# KiCad board panelized.kicad_pcb (continued)
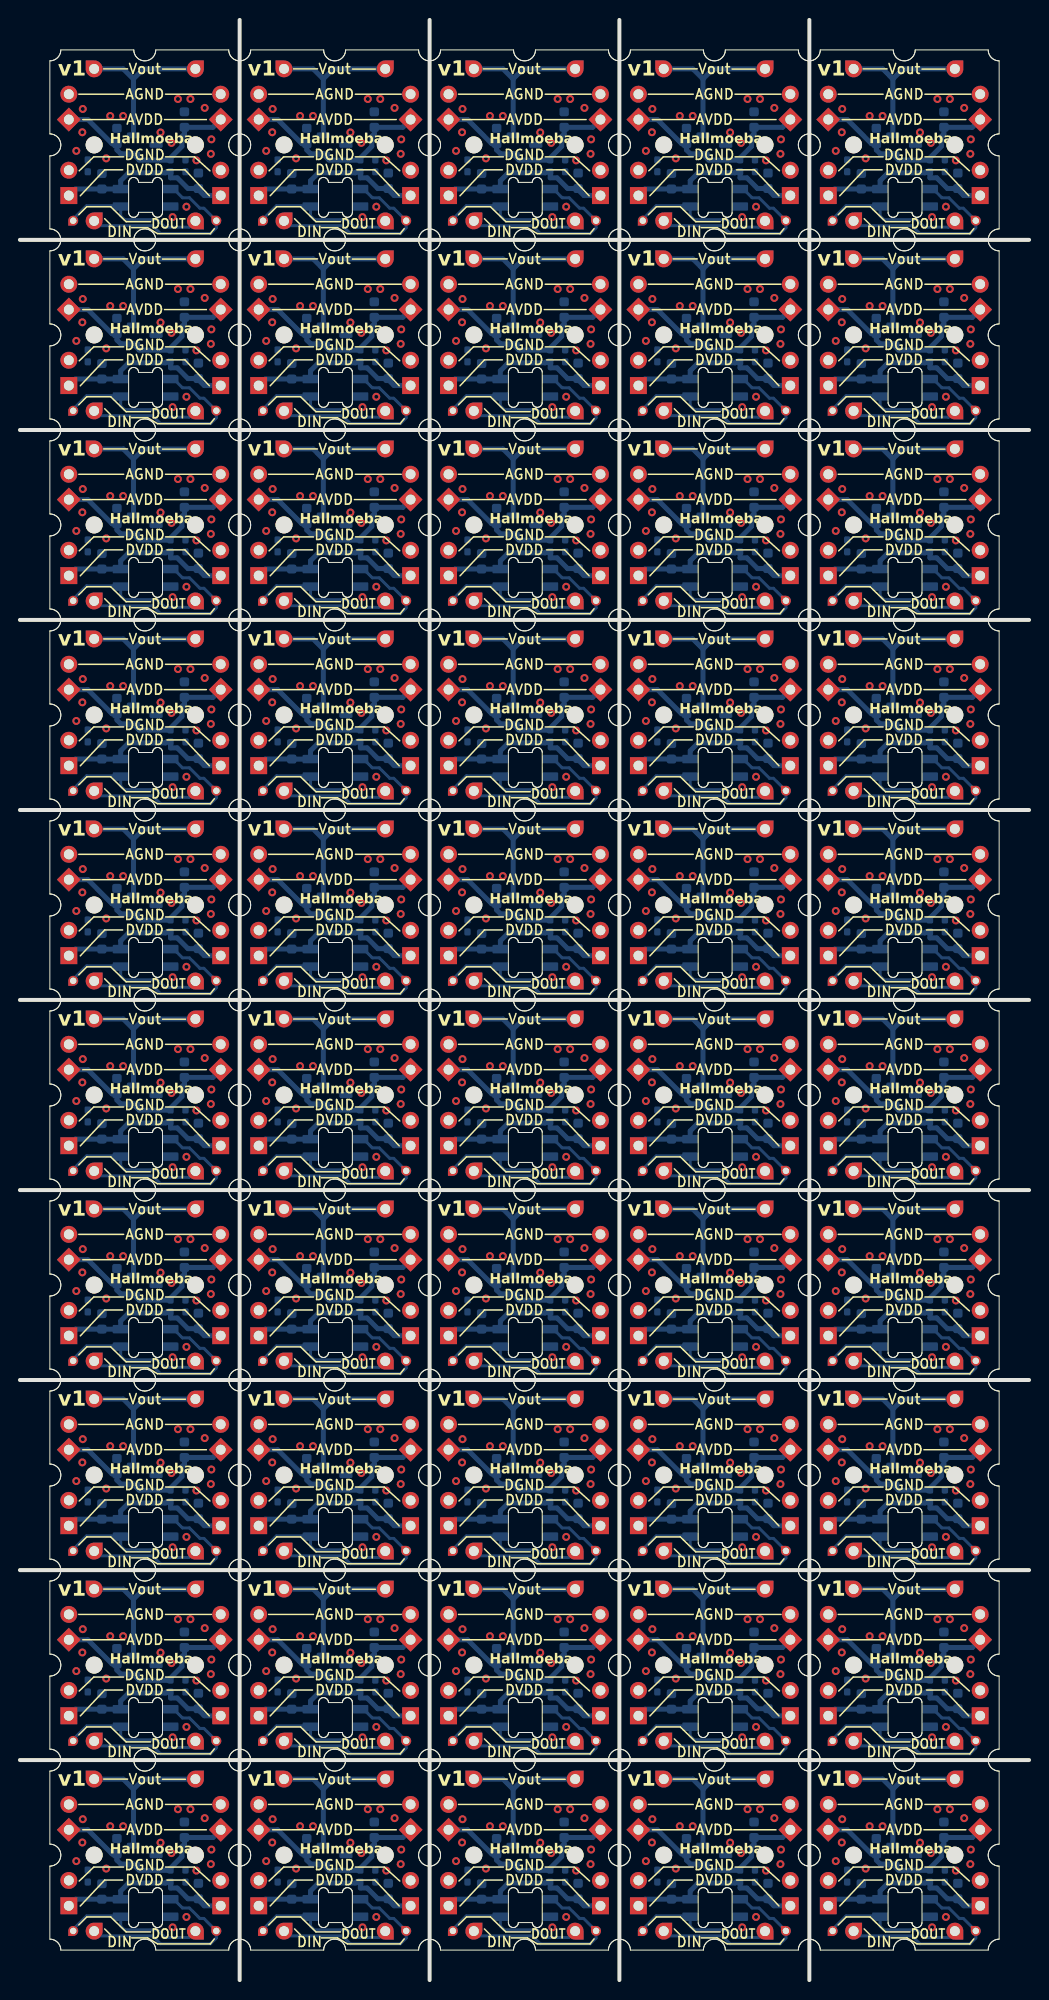
[diagram p0: board, top side]
## Routing (per net, layer and track width the routed paths; a pad name or vN(x,y) marks a point on that pad's centre or on a via; arc(x,y) is an arc through that point) (continued)
Board_31-Vout: length 16.7
  Bottom w0.5: 30.44,76.27 29.42,77.29 J10#25.1 ; 30.44,76.27 30.44,76.28 31.45,77.29 J9#17.1 ; 30.44,76.27 U1#32.2
Board_32-GNDA:
  vias: v1(43.75,69.07) v1(44.36,70.94) v1(44.41,73.28) v1(46.75,68.32) v1(47.16,72.57) v1(48.46,72.57) v1(52.21,70.93) v1(53.31,69.88) v1(53.96,74.28) v1(55.21,74.28) v1(55.81,68.12) v1(56.64,73.38) v1(57.25,68.78) v1(57.31,70.23)
Board_32-GNDD:
  vias: v1(53.42,62.44) v1(54.81,63.47)
Board_32-LED_IN: length 19.7
  Bottom w0.3: D1#6.4 53.53,65.25 54.41,64.38 55.1,64.38 56.16,63.32 56.56,63.32 J13#15.1 57.81,61.36 57.23,60.78 52.19,60.78 51.41,61.57 46.03,61.57 J14#23.1
Board_32-LED_OUT: length 14.7
  Bottom w0.3: J11.1 43.44,62.24 44.78,63.58 48.13,63.58 D1#6.2 48.21,62.57 48.59,62.18 51.9,62.18 52.66,61.42 55.07,61.42 J12#48.1
Board_32-VDD: length 17.9
  Bottom w0.5: J1#14.1 56.59,64.59 56.09,65.1 ; J2#37.1 43.67,65.26 C1#46.2 46.33,65.25 D1#6.1 48.21,66.07 49,66.88 52.71,66.88 52.81,66.98 R3#28.1 53.21,66.38 53.88,66.38 54.96,65.3 C2#18.2
Board_32-VDDA: length 20.1
  Bottom w0.5: J6#23.1 57.47,71.44 C3#21.2 54.6,70.78 54.35,70.53 54.35,69.53 53.21,68.38 R3#28.2 53.18,68.15 50.06,68.15 49.43,68.79 48.21,68.79 47.83,69.17 C4#32.2 47.34,69.79 44.91,72.22 J5#6.1
Board_32-Vout: length 16.7
  Bottom w0.5: J9#36.1 50.5,77.29 49.49,76.28 49.49,76.27 ; 49.49,76.27 U1#4.2 ; 49.49,76.27 48.47,77.29 J10#50.1
Board_33-GNDA:
  vias: v1(62.81,69.07) v1(63.46,73.28) v1(63.41,70.94) v1(65.81,68.32) v1(66.21,72.57) v1(67.5,72.57) v1(71.25,70.93) v1(72.35,69.88) v1(73,74.28) v1(74.25,74.28) v1(74.85,68.12) v1(75.69,73.38) v1(76.36,70.23) v1(76.31,68.78)
Board_33-GNDD:
  vias: v1(72.47,62.44) v1(73.85,63.47)
Board_33-LED_IN: length 19.7
  Bottom w0.3: D1#3.4 72.58,65.25 73.46,64.38 74.16,64.38 75.21,63.32 75.6,63.32 J13#35.1 76.85,61.36 76.28,60.78 71.25,60.78 70.46,61.57 65.07,61.57 J14#24.1
Board_33-LED_OUT: length 14.7
  Bottom w0.3: J11#50.1 62.5,62.24 63.83,63.58 67.18,63.58 D1#3.2 67.25,62.57 67.64,62.18 70.94,62.18 71.71,61.42 74.12,61.42 J12#40.1
Board_33-VDD: length 17.9
  Bottom w0.5: 75.14,65.1 75.64,64.59 J1#28.1 ; J2#41.1 62.72,65.26 C1#37.2 65.38,65.25 D1#3.1 67.25,66.07 68.06,66.88 71.75,66.88 71.86,66.98 R3#11.1 72.25,66.38 72.93,66.38 74.01,65.3 C2#46.2
Board_33-VDDA: length 20.1
  Bottom w0.5: J6#17.1 76.52,71.44 C3#16.2 73.66,70.78 73.41,70.53 73.41,69.53 72.25,68.38 R3#11.2 72.23,68.15 69.11,68.15 68.48,68.79 67.26,68.79 66.88,69.17 C4#42.2 66.39,69.79 63.96,72.22 J5#10.1
Board_33-Vout: length 16.7
  Bottom w0.5: 68.54,76.27 68.54,76.28 69.55,77.29 J9#31.1 ; 68.54,76.27 67.52,77.29 J10#21.1 ; 68.54,76.27 U1#46.2
Board_34-GNDA:
  vias: v1(81.85,69.07) v1(82.46,70.94) v1(82.5,73.28) v1(84.85,68.32) v1(85.25,72.57) v1(86.56,72.57) v1(90.31,70.93) v1(91.41,69.88) v1(92.06,74.28) v1(93.31,74.28) v1(93.91,68.12) v1(94.74,73.38) v1(95.35,68.78) v1(95.41,70.23)
Board_34-GNDD:
  vias: v1(91.52,62.44) v1(92.91,63.47)
Board_34-LED_IN: length 19.7
  Bottom w0.3: J14#32.1 84.12,61.57 89.5,61.57 90.29,60.78 95.33,60.78 95.91,61.36 J13#25.1 94.66,63.32 94.25,63.32 93.21,64.38 92.5,64.38 91.63,65.25 D1#20.4
Board_34-LED_OUT: length 14.7
  Bottom w0.3: J11#32.1 81.54,62.24 82.88,63.58 86.23,63.58 D1#20.2 86.31,62.57 86.69,62.18 90,62.18 90.76,61.42 93.17,61.42 J12#33.1
Board_34-VDD: length 17.9
  Bottom w0.5: J1#30.1 94.69,64.59 94.19,65.1 ; J2#10.1 81.77,65.26 C1#33.2 84.43,65.25 D1#20.1 86.31,66.07 87.1,66.88 90.81,66.88 90.91,66.98 R3#12.1 91.31,66.38 91.98,66.38 93.06,65.3 C2#39.2
Board_34-VDDA: length 20.1
  Bottom w0.5: J6#35.1 95.57,71.44 C3#23.2 92.71,70.78 92.46,70.53 92.46,69.53 91.31,68.38 R3#12.2 91.28,68.15 88.16,68.15 87.53,68.79 86.31,68.79 85.93,69.17 C4#15.2 85.44,69.79 83.01,72.22 J5#20.1
Board_34-Vout: length 16.7
  Bottom w0.5: 87.59,76.27 87.59,76.28 88.6,77.29 J9#47.1 ; 87.59,76.27 86.57,77.29 J10#24.1 ; 87.59,76.27 U1#10.2
Board_35-GNDA:
  vias: v1(5.66,50.03) v1(6.26,51.89) v1(6.31,54.22) v1(8.66,49.28) v1(9.06,53.53) v1(10.36,53.53) v1(14.11,51.88) v1(15.2,50.82) v1(15.86,55.22) v1(17.11,55.22) v1(17.7,49.07) v1(18.54,54.33) v1(19.16,49.72) v1(19.21,51.18)
Board_35-GNDD:
  vias: v1(15.32,43.39) v1(16.7,44.43)
Board_35-LED_IN: length 19.7
  Bottom w0.3: D1#30.4 15.43,46.2 16.31,45.32 17,45.32 18.06,44.28 18.45,44.28 J13#3.1 19.7,42.31 19.13,41.74 14.09,41.74 13.31,42.53 7.92,42.53 J14#22.1
Board_35-LED_OUT: length 14.7
  Bottom w0.3: J11#31.1 5.34,43.19 6.68,44.53 10.03,44.53 D1#30.2 10.11,43.52 10.49,43.13 13.8,43.13 14.56,42.37 16.97,42.37 J12#6.1
Board_35-VDD: length 17.9
  Bottom w0.5: C2#36.2 16.86,46.25 15.78,47.32 15.11,47.32 R3#41.1 14.71,47.93 14.61,47.82 10.91,47.82 10.11,47.03 D1#30.1 8.23,46.2 C1#9.2 5.57,46.21 J2#22.1 ; J1#33.1 18.49,45.54 17.99,46.05
Board_35-VDDA: length 20.1
  Bottom w0.5: J6#11.1 19.37,52.39 C3#50.2 16.5,51.72 16.25,51.47 16.25,50.47 15.11,49.32 R3#41.2 15.08,49.1 11.96,49.1 U1#26.1 11.33,49.74 10.11,49.74 9.73,50.12 C4#23.2 9.24,50.74 6.81,53.16 J5#49.1
Board_35-Vout: length 16.7
  Bottom w0.5: J10#29.1 10.37,58.25 11.39,57.22 ; 11.39,57.22 11.39,57.23 12.4,58.25 J9#20.1 ; 11.39,57.22 U1#26.2
Board_36-GNDA:
  vias: v1(24.7,50.03) v1(25.36,54.22) v1(25.31,51.89) v1(27.7,49.28) v1(28.11,53.53) v1(29.41,53.53) v1(33.16,51.88) v1(34.25,50.82) v1(34.91,55.22) v1(36.16,55.22) v1(36.75,49.07) v1(37.59,54.33) v1(38.26,51.18) v1(38.21,49.72)
Board_36-GNDD:
  vias: v1(34.37,43.39) v1(35.75,44.43)
Board_36-LED_IN: length 19.7
  Bottom w0.3: J14#42.1 26.97,42.53 32.35,42.53 33.15,41.74 38.18,41.74 38.75,42.31 J13#31.1 37.5,44.28 37.1,44.28 36.06,45.32 35.35,45.32 34.48,46.2 D1#10.4
Board_36-LED_OUT: length 14.7
  Bottom w0.3: J11#7.1 24.39,43.19 25.73,44.53 29.08,44.53 D1#10.2 29.16,43.52 29.54,43.13 32.84,43.13 33.61,42.37 36.02,42.37 J12#42.1
Board_36-VDD: length 17.9
  Bottom w0.5: J2#7.1 24.62,46.21 C1#5.2 27.28,46.2 D1#10.1 29.16,47.03 29.95,47.82 33.66,47.82 33.76,47.93 R3#49.1 34.16,47.32 34.83,47.32 35.91,46.25 C2#45.2 ; 37.04,46.05 37.54,45.54 J1#42.1
Board_36-VDDA: length 20.1
  Bottom w0.5: J5#9.1 25.86,53.16 28.29,50.74 C4#25.2 28.78,50.12 29.16,49.74 30.38,49.74 U1#29.1 31.01,49.1 34.13,49.1 R3#49.2 34.16,49.32 35.31,50.47 35.31,51.47 35.56,51.72 C3#26.2 38.42,52.39 J6#42.1
Board_36-Vout: length 16.7
  Bottom w0.5: J10#13.1 29.42,58.25 30.44,57.22 ; 30.44,57.22 U1#29.2 ; 30.44,57.22 30.44,57.23 31.45,58.25 J9#11.1
Board_37-GNDA:
  vias: v1(43.75,50.03) v1(44.36,51.89) v1(44.41,54.22) v1(46.75,49.28) v1(47.16,53.53) v1(48.46,53.53) v1(52.21,51.88) v1(53.31,50.82) v1(53.96,55.22) v1(55.21,55.22) v1(55.81,49.07) v1(56.64,54.33) v1(57.25,49.72) v1(57.31,51.18)
Board_37-GNDD:
  vias: v1(53.42,43.39) v1(54.81,44.43)
Board_37-LED_IN: length 19.7
  Bottom w0.3: J14#9.1 46.03,42.53 51.41,42.53 52.19,41.74 57.23,41.74 57.81,42.31 J13#2.1 56.56,44.28 56.16,44.28 55.1,45.32 54.41,45.32 53.53,46.2 D1#27.4
Board_37-LED_OUT: length 14.7
  Bottom w0.3: J12#15.1 55.07,42.37 52.66,42.37 51.9,43.13 48.59,43.13 48.21,43.52 D1#27.2 48.13,44.53 44.78,44.53 43.44,43.19 J11#39.1
Board_37-VDD: length 17.9
  Bottom w0.5: J1#5.1 56.59,45.54 56.09,46.05 ; J2#24.1 43.67,46.21 C1#48.2 46.33,46.2 D1#27.1 48.21,47.03 49,47.82 52.71,47.82 52.81,47.93 R3#39.1 53.21,47.32 53.88,47.32 54.96,46.25 C2#12.2
Board_37-VDDA: length 20.1
  Bottom w0.5: J5#41.1 44.91,53.16 47.34,50.74 C4#36.2 47.83,50.12 48.21,49.74 49.43,49.74 U1#2.1 50.06,49.1 53.18,49.1 R3#39.2 53.21,49.32 54.35,50.47 54.35,51.47 54.6,51.72 C3#13.2 57.47,52.39 J6#32.1
Board_37-Vout: length 16.7
  Bottom w0.5: J10#34.1 48.47,58.25 49.49,57.22 ; J9#28.1 50.5,58.25 49.49,57.23 49.49,57.22 ; 49.49,57.22 U1#2.2
Board_38-GNDA:
  vias: v1(62.81,50.03) v1(63.46,54.22) v1(63.41,51.89) v1(65.81,49.28) v1(66.21,53.53) v1(67.5,53.53) v1(71.25,51.88) v1(72.35,50.82) v1(73,55.22) v1(74.25,55.22) v1(74.85,49.07) v1(75.69,54.33) v1(76.36,51.18) v1(76.31,49.72)
Board_38-GNDD:
  vias: v1(72.47,43.39) v1(73.85,44.43)
Board_38-LED_IN: length 19.7
  Bottom w0.3: J14#38.1 65.07,42.53 70.46,42.53 71.25,41.74 76.28,41.74 76.85,42.31 J13#45.1 75.6,44.28 75.21,44.28 74.16,45.32 73.46,45.32 72.58,46.2 D1#24.4
Board_38-LED_OUT: length 14.7
  Bottom w0.3: J11#4.1 62.5,43.19 63.83,44.53 67.18,44.53 D1#24.2 67.25,43.52 67.64,43.13 70.94,43.13 71.71,42.37 74.12,42.37 J12#49.1
Board_38-VDD: length 17.9
  Bottom w0.5: J2#50.1 62.72,46.21 C1#34.2 65.38,46.2 D1#24.1 67.25,47.03 68.06,47.82 71.75,47.82 71.86,47.93 R3#25.1 72.25,47.32 72.93,47.32 74.01,46.25 C2#10.2 ; J1#6.1 75.64,45.54 75.14,46.05
Board_38-VDDA: length 20.1
  Bottom w0.5: J6#30.1 76.52,52.39 C3#17.2 73.66,51.72 73.41,51.47 73.41,50.47 72.25,49.32 R3#25.2 72.23,49.1 69.11,49.1 U1#8.1 68.48,49.74 67.26,49.74 66.88,50.12 C4#16.2 66.39,50.74 63.96,53.16 J5#22.1
Board_38-Vout: length 16.7
  Bottom w0.5: 68.54,57.22 67.52,58.25 J10#9.1 ; 68.54,57.22 68.54,57.23 69.55,58.25 J9#6.1 ; 68.54,57.22 U1#8.2
Board_39-GNDA:
  vias: v1(81.85,50.03) v1(82.46,51.89) v1(82.5,54.22) v1(84.85,49.28) v1(85.25,53.53) v1(86.56,53.53) v1(90.31,51.88) v1(91.41,50.82) v1(92.06,55.22) v1(93.31,55.22) v1(93.91,49.07) v1(94.74,54.33) v1(95.35,49.72) v1(95.41,51.18)
Board_39-GNDD:
  vias: v1(91.52,43.39) v1(92.91,44.43)
Board_39-LED_IN: length 19.7
  Bottom w0.3: J14#35.1 84.12,42.53 89.5,42.53 90.29,41.74 95.33,41.74 95.91,42.31 J13#17.1 94.66,44.28 94.25,44.28 93.21,45.32 92.5,45.32 91.63,46.2 D1#17.4
Board_39-LED_OUT: length 14.7
  Bottom w0.3: J12#10.1 93.17,42.37 90.76,42.37 90,43.13 86.69,43.13 86.31,43.52 D1#17.2 86.23,44.53 82.88,44.53 81.54,43.19 J11#2.1
Board_39-VDD: length 17.9
  Bottom w0.5: 94.19,46.05 94.69,45.54 J1#45.1 ; J2#8.1 81.77,46.21 C1#36.2 84.43,46.2 D1#17.1 86.31,47.03 87.1,47.82 90.81,47.82 90.91,47.93 R3#31.1 91.31,47.32 91.98,47.32 93.06,46.25 C2#26.2
Board_39-VDDA: length 20.1
  Bottom w0.5: J6#8.1 95.57,52.39 C3#6.2 92.71,51.72 92.46,51.47 92.46,50.47 91.31,49.32 R3#31.2 91.28,49.1 88.16,49.1 U1#14.1 87.53,49.74 86.31,49.74 85.93,50.12 C4#44.2 85.44,50.74 83.01,53.16 J5#32.1
Board_39-Vout: length 16.7
  Bottom w0.5: 87.59,57.22 86.57,58.25 J10#38.1 ; 87.59,57.22 U1#14.2 ; 87.59,57.22 87.59,57.23 88.6,58.25 J9#3.1
Board_40-GNDA:
  vias: v1(5.66,30.97) v1(6.26,32.84) v1(6.31,35.18) v1(8.66,30.22) v1(9.06,34.47) v1(10.36,34.47) v1(14.11,32.82) v1(15.2,31.78) v1(15.86,36.18) v1(17.11,36.18) v1(17.7,30.03) v1(18.54,35.28) v1(19.16,30.68) v1(19.21,32.13)
Board_40-GNDD:
  vias: v1(15.32,24.34) v1(16.7,25.38)
Board_40-LED_IN: length 19.7
  Bottom w0.3: D1#28.4 15.43,27.15 16.31,26.28 17,26.28 18.06,25.22 18.45,25.22 J13#26.1 19.7,23.26 19.13,22.69 14.09,22.69 13.31,23.47 7.92,23.47 J14#10.1
Board_40-LED_OUT: length 14.7
  Bottom w0.3: J12#44.1 16.97,23.32 14.56,23.32 13.8,24.08 10.49,24.08 10.11,24.47 D1#28.2 10.03,25.48 6.68,25.48 5.34,24.14 J11#38.1
Board_40-VDD: length 17.9
  Bottom w0.5: J1#8.1 18.49,26.5 17.99,27 ; J2#29.1 5.57,27.16 C1#7.2 8.23,27.15 D1#28.1 10.11,27.97 10.91,28.78 14.61,28.78 14.71,28.88 R3#19.1 15.11,28.28 15.78,28.28 16.86,27.2 C2#22.2
Board_40-VDDA: length 20.1
  Bottom w0.5: J6#28.1 19.37,33.34 C3#20.2 16.5,32.68 16.25,32.43 16.25,31.43 15.11,30.28 R3#19.2 15.08,30.05 11.96,30.05 U1#5.1 11.33,30.69 10.11,30.69 9.73,31.07 C4#38.2 9.24,31.69 6.81,34.12 J5#21.1
Board_40-Vout: length 16.7
  Bottom w0.5: U1#5.2 11.39,38.17 ; 11.39,38.17 10.37,39.19 J10#43.1 ; 11.39,38.17 11.39,38.18 12.4,39.19 J9#15.1
Board_41-GNDA:
  vias: v1(24.7,30.97) v1(25.36,35.18) v1(25.31,32.84) v1(27.7,30.22) v1(28.11,34.47) v1(29.41,34.47) v1(33.16,32.82) v1(34.25,31.78) v1(34.91,36.18) v1(36.16,36.18) v1(36.75,30.03) v1(37.59,35.28) v1(38.26,32.13) v1(38.21,30.68)
Board_41-GNDD:
  vias: v1(34.37,24.34) v1(35.75,25.38)
Board_41-LED_IN: length 19.7
  Bottom w0.3: J14#26.1 26.97,23.47 32.35,23.47 33.15,22.69 38.18,22.69 38.75,23.26 J13#8.1 37.5,25.22 37.1,25.22 36.06,26.28 35.35,26.28 34.48,27.15 D1#32.4
Board_41-LED_OUT: length 14.7
  Bottom w0.3: J12#20.1 36.02,23.32 33.61,23.32 32.84,24.08 29.54,24.08 29.16,24.47 D1#32.2 29.08,25.48 25.73,25.48 24.39,24.14 J11#26.1
Board_41-VDD: length 17.9
  Bottom w0.5: J1#48.1 37.54,26.5 37.04,27 ; J2#15.1 24.62,27.16 C1#15.2 27.28,27.15 D1#32.1 29.16,27.97 29.95,28.78 33.66,28.78 33.76,28.88 R3#42.1 34.16,28.28 34.83,28.28 35.91,27.2 C2#29.2
Board_41-VDDA: length 20.1
  Bottom w0.5: J5#33.1 25.86,34.12 28.29,31.69 C4#39.2 28.78,31.07 29.16,30.69 30.38,30.69 U1#9.1 31.01,30.05 34.13,30.05 R3#42.2 34.16,30.28 35.31,31.43 35.31,32.43 35.56,32.68 C3#2.2 38.42,33.34 J6#10.1
Board_41-Vout: length 16.7
  Bottom w0.5: U1#9.2 30.44,38.17 ; 30.44,38.17 29.42,39.19 J10#15.1 ; 30.44,38.17 30.44,38.18 31.45,39.19 J9#4.1
Board_42-GNDA:
  vias: v1(43.75,30.97) v1(44.36,32.84) v1(44.41,35.18) v1(46.75,30.22) v1(47.16,34.47) v1(48.46,34.47) v1(52.21,32.82) v1(53.31,31.78) v1(53.96,36.18) v1(55.21,36.18) v1(55.81,30.03) v1(56.64,35.28) v1(57.25,30.68) v1(57.31,32.13)
Board_42-GNDD:
  vias: v1(53.42,24.34) v1(54.81,25.38)
Board_42-LED_IN: length 19.7
  Bottom w0.3: J14#47.1 46.03,23.47 51.41,23.47 52.19,22.69 57.23,22.69 57.81,23.26 J13#36.1 56.56,25.22 56.16,25.22 55.1,26.28 54.41,26.28 53.53,27.15 D1#25.4
Board_42-LED_OUT: length 14.7
  Bottom w0.3: J12#26.1 55.07,23.32 52.66,23.32 51.9,24.08 48.59,24.08 48.21,24.47 D1#25.2 48.13,25.48 44.78,25.48 43.44,24.14 J11#5.1
Board_42-VDD: length 17.9
  Bottom w0.5: J2#14.1 43.67,27.16 C1#6.2 46.33,27.15 D1#25.1 48.21,27.97 49,28.78 52.71,28.78 52.81,28.88 R3#10.1 53.21,28.28 53.88,28.28 54.96,27.2 C2#20.2 ; J1#15.1 56.59,26.5 56.09,27
Board_42-VDDA: length 20.1
  Bottom w0.5: J6#27.1 57.47,33.34 C3#12.2 54.6,32.68 54.35,32.43 54.35,31.43 53.21,30.28 R3#10.2 53.18,30.05 50.06,30.05 U1#40.1 49.43,30.69 48.21,30.69 47.83,31.07 C4#14.2 47.34,31.69 44.91,34.12 J5#7.1
Board_42-Vout: length 16.7
  Bottom w0.5: 49.49,38.17 49.49,38.18 50.5,39.19 J9#34.1 ; 49.49,38.17 U1#40.2 ; 49.49,38.17 48.47,39.19 J10#46.1
Board_43-GNDA:
  vias: v1(62.81,30.97) v1(63.46,35.18) v1(63.41,32.84) v1(65.81,30.22) v1(66.21,34.47) v1(67.5,34.47) v1(71.25,32.82) v1(72.35,31.78) v1(73,36.18) v1(74.25,36.18) v1(74.85,30.03) v1(75.69,35.28) v1(76.36,32.13) v1(76.31,30.68)
Board_43-GNDD:
  vias: v1(72.47,24.34) v1(73.85,25.38)
Board_43-LED_IN: length 19.7
  Bottom w0.3: J14#11.1 65.07,23.47 70.46,23.47 71.25,22.69 76.28,22.69 76.85,23.26 J13#10.1 75.6,25.22 75.21,25.22 74.16,26.28 73.46,26.28 72.58,27.15 D1#39.4
Board_43-LED_OUT: length 14.7
  Bottom w0.3: J12#4.1 74.12,23.32 71.71,23.32 70.94,24.08 67.64,24.08 67.25,24.47 D1#39.2 67.18,25.48 63.83,25.48 62.5,24.14 J11#14.1
Board_43-VDD: length 17.9
  Bottom w0.5: J2#21.1 62.72,27.16 C1#41.2 65.38,27.15 D1#39.1 67.25,27.97 68.06,28.78 71.75,28.78 71.86,28.88 R3#8.1 72.25,28.28 72.93,28.28 74.01,27.2 C2#2.2 ; 75.14,27 75.64,26.5 J1#38.1
Board_43-VDDA: length 20.1
  Bottom w0.5: J5#25.1 63.96,34.12 66.39,31.69 C4#2.2 66.88,31.07 67.26,30.69 68.48,30.69 U1#27.1 69.11,30.05 72.23,30.05 R3#8.2 72.25,30.28 73.41,31.43 73.41,32.43 73.66,32.68 C3#27.2 76.52,33.34 J6#18.1
Board_43-Vout: length 16.7
  Bottom w0.5: U1#27.2 68.54,38.17 ; 68.54,38.17 67.52,39.19 J10#16.1 ; 68.54,38.17 68.54,38.18 69.55,39.19 J9#43.1
Board_44-GNDA:
  vias: v1(81.85,30.97) v1(82.46,32.84) v1(82.5,35.18) v1(84.85,30.22) v1(85.25,34.47) v1(86.56,34.47) v1(90.31,32.82) v1(91.41,31.78) v1(92.06,36.18) v1(93.31,36.18) v1(93.91,30.03) v1(94.74,35.28) v1(95.35,30.68) v1(95.41,32.13)
Board_44-GNDD:
  vias: v1(91.52,24.34) v1(92.91,25.38)
Board_44-LED_IN: length 19.7
  Bottom w0.3: J14#41.1 84.12,23.47 89.5,23.47 90.29,22.69 95.33,22.69 95.91,23.26 J13#19.1 94.66,25.22 94.25,25.22 93.21,26.28 92.5,26.28 91.63,27.15 D1#37.4
Board_44-LED_OUT: length 14.7
  Bottom w0.3: J12#31.1 93.17,23.32 90.76,23.32 90,24.08 86.69,24.08 86.31,24.47 D1#37.2 86.23,25.48 82.88,25.48 81.54,24.14 J11#46.1
Board_44-VDD: length 17.9
  Bottom w0.5: C2#19.2 93.06,27.2 91.98,28.28 91.31,28.28 R3#29.1 90.91,28.88 90.81,28.78 87.1,28.78 86.31,27.97 D1#37.1 84.43,27.15 C1#23.2 81.77,27.16 J2#6.1 ; J1#34.1 94.69,26.5 94.19,27
Board_44-VDDA: length 20.1
  Bottom w0.5: J5#13.1 83.01,34.12 85.44,31.69 C4#34.2 85.93,31.07 86.31,30.69 87.53,30.69 U1#19.1 88.16,30.05 91.28,30.05 R3#29.2 91.31,30.28 92.46,31.43 92.46,32.43 92.71,32.68 C3#46.2 95.57,33.34 J6#39.1
Board_44-Vout: length 16.7
  Bottom w0.5: U1#19.2 87.59,38.17 ; 87.59,38.17 87.59,38.18 88.6,39.19 J9#16.1 ; 87.59,38.17 86.57,39.19 J10#31.1
Board_45-GNDA:
  vias: v1(5.66,11.93) v1(6.26,13.79) v1(6.31,16.12) v1(8.66,11.18) v1(9.06,15.43) v1(10.36,15.43) v1(14.11,13.78) v1(15.2,12.72) v1(15.86,17.12) v1(17.11,17.12) v1(17.7,10.97) v1(18.54,16.23) v1(19.16,11.62) v1(19.21,13.08)
Board_45-GNDD:
  vias: v1(15.32,5.29) v1(16.7,6.32)
Board_45-LED_IN: length 19.7
  Bottom w0.3: J14#44.1 7.92,4.43 13.31,4.43 14.09,3.63 19.13,3.63 19.7,4.21 J13#43.1 18.45,6.18 18.06,6.18 17,7.22 16.31,7.22 15.43,8.1 D1#31.4
Board_45-LED_OUT: length 14.7
  Bottom w0.3: J12#35.1 16.97,4.27 14.56,4.27 13.8,5.03 10.49,5.03 10.11,5.42 D1#31.2 10.03,6.43 6.68,6.43 5.34,5.09 J11#22.1
Board_45-VDD: length 17.9
  Bottom w0.5: J1#10.1 18.49,7.44 17.99,7.95 ; J2#27.1 5.57,8.11 C1#2.2 8.23,8.1 D1#31.1 10.11,8.93 10.91,9.72 14.61,9.72 14.71,9.83 R3#21.1 15.11,9.22 15.78,9.22 16.86,8.15 C2#9.2
Board_45-VDDA: length 20.1
  Bottom w0.5: J6#21.1 19.37,14.29 C3#32.2 16.5,13.62 16.25,13.38 16.25,12.38 15.11,11.22 R3#21.2 15.08,11 11.96,11 U1#17.1 11.33,11.64 10.11,11.64 9.73,12.02 9.73,12.64 9.24,12.64 6.81,15.06 J5#35.1
Board_45-Vout: length 16.7
  Bottom w0.5: J10#28.1 10.37,20.15 11.39,19.12 ; 11.39,19.12 11.39,19.13 12.4,20.15 J9#21.1 ; 11.39,19.12 U1#17.2
Board_46-GNDA:
  vias: v1(24.7,11.93) v1(25.36,16.12) v1(25.31,13.79) v1(27.7,11.18) v1(28.11,15.43) v1(29.41,15.43) v1(33.16,13.78) v1(34.25,12.72) v1(34.91,17.12) v1(36.16,17.12) v1(36.75,10.97) v1(37.59,16.23) v1(38.26,13.08) v1(38.21,11.62)
Board_46-GNDD:
  vias: v1(34.37,5.29) v1(35.75,6.32)
Board_46-LED_IN: length 19.7
  Bottom w0.3: D1#34.4 34.48,8.1 35.35,7.22 36.06,7.22 37.1,6.18 37.5,6.18 J13#7.1 38.75,4.21 38.18,3.63 33.15,3.63 32.35,4.43 26.97,4.43 J14#3.1
Board_46-LED_OUT: length 14.7
  Bottom w0.3: J11#28.1 24.39,5.09 25.73,6.43 29.08,6.43 D1#34.2 29.16,5.42 29.54,5.03 32.84,5.03 33.61,4.27 36.02,4.27 J12#2.1
Board_46-VDD: length 17.9
  Bottom w0.5: J1#29.1 37.54,7.44 37.04,7.95 ; J2#34.1 24.62,8.11 C1#17.2 27.28,8.1 D1#34.1 29.16,8.93 29.95,9.72 33.66,9.72 33.76,9.83 R3.1 34.16,9.22 34.83,9.22 35.91,8.15 C2#7.2
Board_46-VDDA: length 20.1
  Bottom w0.5: J6#49.1 38.42,14.29 C3#9.2 35.56,13.62 35.31,13.38 35.31,12.38 34.16,11.22 R3.2 34.13,11 31.01,11 U1#41.1 30.38,11.64 29.16,11.64 28.78,12.02 28.78,12.64 28.29,12.64 25.86,15.06 J5#26.1
Board_46-Vout: length 16.7
  Bottom w0.5: 30.44,19.12 29.42,20.15 J10#48.1 ; 30.44,19.12 U1#41.2 ; 30.44,19.12 30.44,19.13 31.45,20.15 J9#14.1
Board_47-GNDA:
  vias: v1(43.75,11.93) v1(44.36,13.79) v1(44.41,16.12) v1(46.75,11.18) v1(47.16,15.43) v1(48.46,15.43) v1(52.21,13.78) v1(53.31,12.72) v1(53.96,17.12) v1(55.21,17.12) v1(55.81,10.97) v1(56.64,16.23) v1(57.25,11.62) v1(57.31,13.08)
Board_47-GNDD:
  vias: v1(53.42,5.29) v1(54.81,6.32)
Board_47-LED_IN: length 19.7
  Bottom w0.3: J14#43.1 46.03,4.43 51.41,4.43 52.19,3.63 57.23,3.63 57.81,4.21 J13#16.1 56.56,6.18 56.16,6.18 55.1,7.22 54.41,7.22 53.53,8.1 D1#15.4
Board_47-LED_OUT: length 14.7
  Bottom w0.3: J11#21.1 43.44,5.09 44.78,6.43 48.13,6.43 D1#15.2 48.21,5.42 48.59,5.03 51.9,5.03 52.66,4.27 55.07,4.27 J12#37.1
Board_47-VDD: length 17.9
  Bottom w0.5: J2#9.1 43.67,8.11 C1#45.2 46.33,8.1 D1#15.1 48.21,8.93 49,9.72 52.71,9.72 52.81,9.83 R3#40.1 53.21,9.22 53.88,9.22 54.96,8.15 C2#40.2 ; 56.09,7.95 56.59,7.44 J1#44.1
Board_47-VDDA: length 20.1
  Bottom w0.5: J6#43.1 57.47,14.29 C3#19.2 54.6,13.62 54.35,13.38 54.35,12.38 53.21,11.22 R3#40.2 53.18,11 50.06,11 U1#23.1 49.43,11.64 48.21,11.64 47.83,12.02 47.83,12.64 47.34,12.64 44.91,15.06 J5#40.1
Board_47-Vout: length 16.7
  Bottom w0.5: J10#44.1 48.47,20.15 49.49,19.12 ; J9#32.1 50.5,20.15 49.49,19.13 49.49,19.12 ; 49.49,19.12 U1#23.2
Board_48-GNDA:
  vias: v1(62.81,11.93) v1(63.46,16.12) v1(63.41,13.79) v1(65.81,11.18) v1(66.21,15.43) v1(67.5,15.43) v1(71.25,13.78) v1(72.35,12.72) v1(73,17.12) v1(74.25,17.12) v1(74.85,10.97) v1(75.69,16.23) v1(76.36,13.08) v1(76.31,11.62)
Board_48-GNDD:
  vias: v1(72.47,5.29) v1(73.85,6.32)
Board_48-LED_IN: length 19.7
  Bottom w0.3: J14#5.1 65.07,4.43 70.46,4.43 71.25,3.63 76.28,3.63 76.85,4.21 J13#20.1 75.6,6.18 75.21,6.18 74.16,7.22 73.46,7.22 72.58,8.1 D1#50.4
Board_48-LED_OUT: length 14.7
  Bottom w0.3: J12#38.1 74.12,4.27 71.71,4.27 70.94,5.03 67.64,5.03 67.25,5.42 D1#50.2 67.18,6.43 63.83,6.43 62.5,5.09 J11#17.1
Board_48-VDD: length 17.9
  Bottom w0.5: J2#23.1 62.72,8.11 C1#8.2 65.38,8.1 D1#50.1 67.25,8.93 68.06,9.72 71.75,9.72 71.86,9.83 R3#37.1 72.25,9.22 72.93,9.22 74.01,8.15 C2#11.2 ; J1#24.1 75.64,7.44 75.14,7.95
Board_48-VDDA: length 20.1
  Bottom w0.5: J6#2.1 76.52,14.29 C3#28.2 73.66,13.62 73.41,13.38 73.41,12.38 72.25,11.22 R3#37.2 72.23,11 69.11,11 U1#45.1 68.48,11.64 67.26,11.64 66.88,12.02 66.88,12.64 66.39,12.64 63.96,15.06 J5.1
Board_48-Vout: length 16.7
  Bottom w0.5: J10#35.1 67.52,20.15 68.54,19.12 ; 68.54,19.12 68.54,19.13 69.55,20.15 J9#50.1 ; 68.54,19.12 U1#45.2
Board_49-GNDA:
  vias: v1(81.85,11.93) v1(82.46,13.79) v1(82.5,16.12) v1(84.85,11.18) v1(85.25,15.43) v1(86.56,15.43) v1(90.31,13.78) v1(91.41,12.72) v1(92.06,17.12) v1(93.31,17.12) v1(93.91,10.97) v1(94.74,16.23) v1(95.35,11.62) v1(95.41,13.08)
Board_49-GNDD:
  vias: v1(91.52,5.29) v1(92.91,6.32)
Board_49-LED_IN: length 19.7
  Bottom w0.3: D1#12.4 91.63,8.1 92.5,7.22 93.21,7.22 94.25,6.18 94.66,6.18 J13#6.1 95.91,4.21 95.33,3.63 90.29,3.63 89.5,4.43 84.12,4.43 J14#27.1
Board_49-LED_OUT: length 14.7
  Bottom w0.3: J12#19.1 93.17,4.27 90.76,4.27 90,5.03 86.69,5.03 86.31,5.42 D1#12.2 86.23,6.43 82.88,6.43 81.54,5.09 J11#35.1
Board_49-VDD: length 17.9
  Bottom w0.5: 94.19,7.95 94.69,7.44 J1#39.1 ; J2#30.1 81.77,8.11 C1#42.2 84.43,8.1 D1#12.1 86.31,8.93 87.1,9.72 90.81,9.72 90.91,9.83 R3#23.1 91.31,9.22 91.98,9.22 93.06,8.15 C2#23.2
Board_49-VDDA: length 20.1
  Bottom w0.5: J6#45.1 95.57,14.29 C3#39.2 92.71,13.62 92.46,13.38 92.46,12.38 91.31,11.22 R3#23.2 91.28,11 88.16,11 U1#11.1 87.53,11.64 86.31,11.64 85.93,12.02 85.93,12.64 85.44,12.64 83.01,15.06 J5#37.1
Board_49-Vout: length 16.7
  Bottom w0.5: J10#2.1 86.57,20.15 87.59,19.12 ; 87.59,19.12 87.59,19.13 88.6,20.15 J9#33.1 ; 87.59,19.12 U1#11.2

## Copper pours and planes (outline as drawn; the poured copper is in the pictures)
Board_0-GNDA on Top, Bottom: 3.12,193.38 21.92,193.38 21.92,182.12 3.12,182.12
Board_0-GNDD on Top, Bottom: 3.14,181.65 3.14,174.54 21.94,174.54 21.94,181.65
Board_1-GNDA on Top, Bottom: 22.17,193.38 40.97,193.38 40.97,182.12 22.17,182.12
Board_1-GNDD on Top, Bottom: 22.19,181.65 22.19,174.54 41,174.54 41,181.65
Board_2-GNDA on Top, Bottom: 41.22,193.38 60.03,193.38 60.03,182.12 41.22,182.12
Board_2-GNDD on Top, Bottom: 41.25,181.65 41.25,174.54 60.04,174.54 60.04,181.65
Board_3-GNDA on Top, Bottom: 60.28,193.38 79.07,193.38 79.07,182.12 60.28,182.12
Board_3-GNDD on Top, Bottom: 60.29,181.65 60.29,174.54 79.09,174.54 79.09,181.65
Board_4-GNDA on Top, Bottom: 79.32,193.38 98.12,193.38 98.12,182.12 79.32,182.12
Board_4-GNDD on Top, Bottom: 79.34,181.65 79.34,174.54 98.15,174.54 98.15,181.65
Board_5-GNDA on Top, Bottom: 3.12,174.33 21.92,174.33 21.92,163.07 3.12,163.07
Board_5-GNDD on Top, Bottom: 3.14,162.6 3.14,155.49 21.94,155.49 21.94,162.6
Board_6-GNDA on Top, Bottom: 22.17,174.33 40.97,174.33 40.97,163.07 22.17,163.07
Board_6-GNDD on Top, Bottom: 22.19,162.6 22.19,155.49 41,155.49 41,162.6
Board_7-GNDA on Top, Bottom: 41.22,174.33 60.03,174.33 60.03,163.07 41.22,163.07
Board_7-GNDD on Top, Bottom: 41.25,162.6 41.25,155.49 60.04,155.49 60.04,162.6
Board_8-GNDA on Top, Bottom: 60.28,174.33 79.07,174.33 79.07,163.07 60.28,163.07
Board_8-GNDD on Top, Bottom: 60.29,162.6 60.29,155.49 79.09,155.49 79.09,162.6
Board_9-GNDA on Top, Bottom: 79.32,174.33 98.12,174.33 98.12,163.07 79.32,163.07
Board_9-GNDD on Top, Bottom: 79.34,162.6 79.34,155.49 98.15,155.49 98.15,162.6
Board_10-GNDA on Top, Bottom: 3.12,155.28 21.92,155.28 21.92,144.02 3.12,144.02
Board_10-GNDD on Top, Bottom: 3.14,143.55 3.14,136.44 21.94,136.44 21.94,143.55
Board_11-GNDA on Top, Bottom: 22.17,155.28 40.97,155.28 40.97,144.02 22.17,144.02
Board_11-GNDD on Top, Bottom: 22.19,143.55 22.19,136.44 41,136.44 41,143.55
Board_12-GNDA on Top, Bottom: 41.22,155.28 60.03,155.28 60.03,144.02 41.22,144.02
Board_12-GNDD on Top, Bottom: 41.25,143.55 41.25,136.44 60.04,136.44 60.04,143.55
Board_13-GNDA on Top, Bottom: 60.28,155.28 79.07,155.28 79.07,144.02 60.28,144.02
Board_13-GNDD on Top, Bottom: 60.29,143.55 60.29,136.44 79.09,136.44 79.09,143.55
Board_14-GNDA on Top, Bottom: 79.32,155.28 98.12,155.28 98.12,144.02 79.32,144.02
Board_14-GNDD on Top, Bottom: 79.34,143.55 79.34,136.44 98.15,136.44 98.15,143.55
Board_15-GNDA on Top, Bottom: 3.12,136.23 21.92,136.23 21.92,124.97 3.12,124.97
Board_15-GNDD on Top, Bottom: 3.14,124.5 3.14,117.39 21.94,117.39 21.94,124.5
Board_16-GNDA on Top, Bottom: 22.17,136.23 40.97,136.23 40.97,124.97 22.17,124.97
Board_16-GNDD on Top, Bottom: 22.19,124.5 22.19,117.39 41,117.39 41,124.5
Board_17-GNDA on Top, Bottom: 41.22,136.23 60.03,136.23 60.03,124.97 41.22,124.97
Board_17-GNDD on Top, Bottom: 41.25,124.5 41.25,117.39 60.04,117.39 60.04,124.5
Board_18-GNDA on Top, Bottom: 60.28,136.23 79.07,136.23 79.07,124.97 60.28,124.97
Board_18-GNDD on Top, Bottom: 60.29,124.5 60.29,117.39 79.09,117.39 79.09,124.5
Board_19-GNDA on Top, Bottom: 79.32,136.23 98.12,136.23 98.12,124.97 79.32,124.97
Board_19-GNDD on Top, Bottom: 79.34,124.5 79.34,117.39 98.15,117.39 98.15,124.5
Board_20-GNDA on Top, Bottom: 3.12,117.18 21.92,117.18 21.92,105.92 3.12,105.92
Board_20-GNDD on Top, Bottom: 3.14,105.45 3.14,98.34 21.94,98.34 21.94,105.45
Board_21-GNDA on Top, Bottom: 22.17,117.18 40.97,117.18 40.97,105.92 22.17,105.92
Board_21-GNDD on Top, Bottom: 22.19,105.45 22.19,98.34 41,98.34 41,105.45
Board_22-GNDA on Top, Bottom: 41.22,117.18 60.03,117.18 60.03,105.92 41.22,105.92
Board_22-GNDD on Top, Bottom: 41.25,105.45 41.25,98.34 60.04,98.34 60.04,105.45
Board_23-GNDA on Top, Bottom: 60.28,117.18 79.07,117.18 79.07,105.92 60.28,105.92
Board_23-GNDD on Top, Bottom: 60.29,105.45 60.29,98.34 79.09,98.34 79.09,105.45
Board_24-GNDA on Top, Bottom: 79.32,117.18 98.12,117.18 98.12,105.92 79.32,105.92
Board_24-GNDD on Top, Bottom: 79.34,105.45 79.34,98.34 98.15,98.34 98.15,105.45
Board_25-GNDA on Top, Bottom: 3.12,98.13 21.92,98.13 21.92,86.87 3.12,86.87
Board_25-GNDD on Top, Bottom: 3.14,86.4 3.14,79.29 21.94,79.29 21.94,86.4
Board_26-GNDA on Top, Bottom: 22.17,98.13 40.97,98.13 40.97,86.87 22.17,86.87
Board_26-GNDD on Top, Bottom: 22.19,86.4 22.19,79.29 41,79.29 41,86.4
Board_27-GNDA on Top, Bottom: 41.22,98.13 60.03,98.13 60.03,86.87 41.22,86.87
Board_27-GNDD on Top, Bottom: 41.25,86.4 41.25,79.29 60.04,79.29 60.04,86.4
Board_28-GNDA on Top, Bottom: 60.28,98.13 79.07,98.13 79.07,86.87 60.28,86.87
Board_28-GNDD on Top, Bottom: 60.29,86.4 60.29,79.29 79.09,79.29 79.09,86.4
Board_29-GNDA on Top, Bottom: 79.32,98.13 98.12,98.13 98.12,86.87 79.32,86.87
Board_29-GNDD on Top, Bottom: 79.34,86.4 79.34,79.29 98.15,79.29 98.15,86.4
Board_30-GNDA on Top, Bottom: 3.12,79.08 21.92,79.08 21.92,67.82 3.12,67.82
Board_30-GNDD on Top, Bottom: 3.14,67.35 3.14,60.24 21.94,60.24 21.94,67.35
Board_31-GNDA on Top, Bottom: 22.17,79.08 40.97,79.08 40.97,67.82 22.17,67.82
Board_31-GNDD on Top, Bottom: 22.19,67.35 22.19,60.24 41,60.24 41,67.35
Board_32-GNDA on Top, Bottom: 41.22,79.08 60.03,79.08 60.03,67.82 41.22,67.82
Board_32-GNDD on Top, Bottom: 41.25,67.35 41.25,60.24 60.04,60.24 60.04,67.35
Board_33-GNDA on Top, Bottom: 60.28,79.08 79.07,79.08 79.07,67.82 60.28,67.82
Board_33-GNDD on Top, Bottom: 60.29,67.35 60.29,60.24 79.09,60.24 79.09,67.35
Board_34-GNDA on Top, Bottom: 79.32,79.08 98.12,79.08 98.12,67.82 79.32,67.82
Board_34-GNDD on Top, Bottom: 79.34,67.35 79.34,60.24 98.15,60.24 98.15,67.35
Board_35-GNDA on Top, Bottom: 3.12,60.03 21.92,60.03 21.92,48.77 3.12,48.77
Board_35-GNDD on Top, Bottom: 3.14,48.3 3.14,41.19 21.94,41.19 21.94,48.3
Board_36-GNDA on Top, Bottom: 22.17,60.03 40.97,60.03 40.97,48.77 22.17,48.77
Board_36-GNDD on Top, Bottom: 22.19,48.3 22.19,41.19 41,41.19 41,48.3
Board_37-GNDA on Top, Bottom: 41.22,60.03 60.03,60.03 60.03,48.77 41.22,48.77
Board_37-GNDD on Top, Bottom: 41.25,48.3 41.25,41.19 60.04,41.19 60.04,48.3
Board_38-GNDA on Top, Bottom: 60.28,60.03 79.07,60.03 79.07,48.77 60.28,48.77
Board_38-GNDD on Top, Bottom: 60.29,48.3 60.29,41.19 79.09,41.19 79.09,48.3
Board_39-GNDA on Top, Bottom: 79.32,60.03 98.12,60.03 98.12,48.77 79.32,48.77
Board_39-GNDD on Top, Bottom: 79.34,48.3 79.34,41.19 98.15,41.19 98.15,48.3
Board_40-GNDA on Top, Bottom: 3.12,40.98 21.92,40.98 21.92,29.72 3.12,29.72
Board_40-GNDD on Top, Bottom: 3.14,29.25 3.14,22.14 21.94,22.14 21.94,29.25
Board_41-GNDA on Top, Bottom: 22.17,40.98 40.97,40.98 40.97,29.72 22.17,29.72
Board_41-GNDD on Top, Bottom: 22.19,29.25 22.19,22.14 41,22.14 41,29.25
Board_42-GNDA on Top, Bottom: 41.22,40.98 60.03,40.98 60.03,29.72 41.22,29.72
Board_42-GNDD on Top, Bottom: 41.25,29.25 41.25,22.14 60.04,22.14 60.04,29.25
Board_43-GNDA on Top, Bottom: 60.28,40.98 79.07,40.98 79.07,29.72 60.28,29.72
Board_43-GNDD on Top, Bottom: 60.29,29.25 60.29,22.14 79.09,22.14 79.09,29.25
Board_44-GNDA on Top, Bottom: 79.32,40.98 98.12,40.98 98.12,29.72 79.32,29.72
Board_44-GNDD on Top, Bottom: 79.34,29.25 79.34,22.14 98.15,22.14 98.15,29.25
Board_45-GNDA on Top, Bottom: 3.12,21.93 21.92,21.93 21.92,10.67 3.12,10.67
Board_45-GNDD on Top, Bottom: 3.14,10.2 3.14,3.09 21.94,3.09 21.94,10.2
Board_46-GNDA on Top, Bottom: 22.17,21.93 40.97,21.93 40.97,10.67 22.17,10.67
Board_46-GNDD on Top, Bottom: 22.19,10.2 22.19,3.09 41,3.09 41,10.2
Board_47-GNDA on Top, Bottom: 41.22,21.93 60.03,21.93 60.03,10.67 41.22,10.67
Board_47-GNDD on Top, Bottom: 41.25,10.2 41.25,3.09 60.04,3.09 60.04,10.2
Board_48-GNDA on Top, Bottom: 60.28,21.93 79.07,21.93 79.07,10.67 60.28,10.67
Board_48-GNDD on Top, Bottom: 60.29,10.2 60.29,3.09 79.09,3.09 79.09,10.2
Board_49-GNDA on Top, Bottom: 79.32,21.93 98.12,21.93 98.12,10.67 79.32,10.67
Board_49-GNDD on Top, Bottom: 79.34,10.2 79.34,3.09 98.15,3.09 98.15,10.2

## Text on the board
B.Silkscreen: DVDD | DOUT | DGND | DIN | Vout | AGND | AVDD | v1
Edge.Cuts: V-CUT
F.Silkscreen: DOUT | DIN | DGND | DVDD | Vout | AGND | AVDD | Hallmoeba | v1
